# Allegro board GPS_INTERFACE_BOARD_v24_test_SFP_.brd (continued)
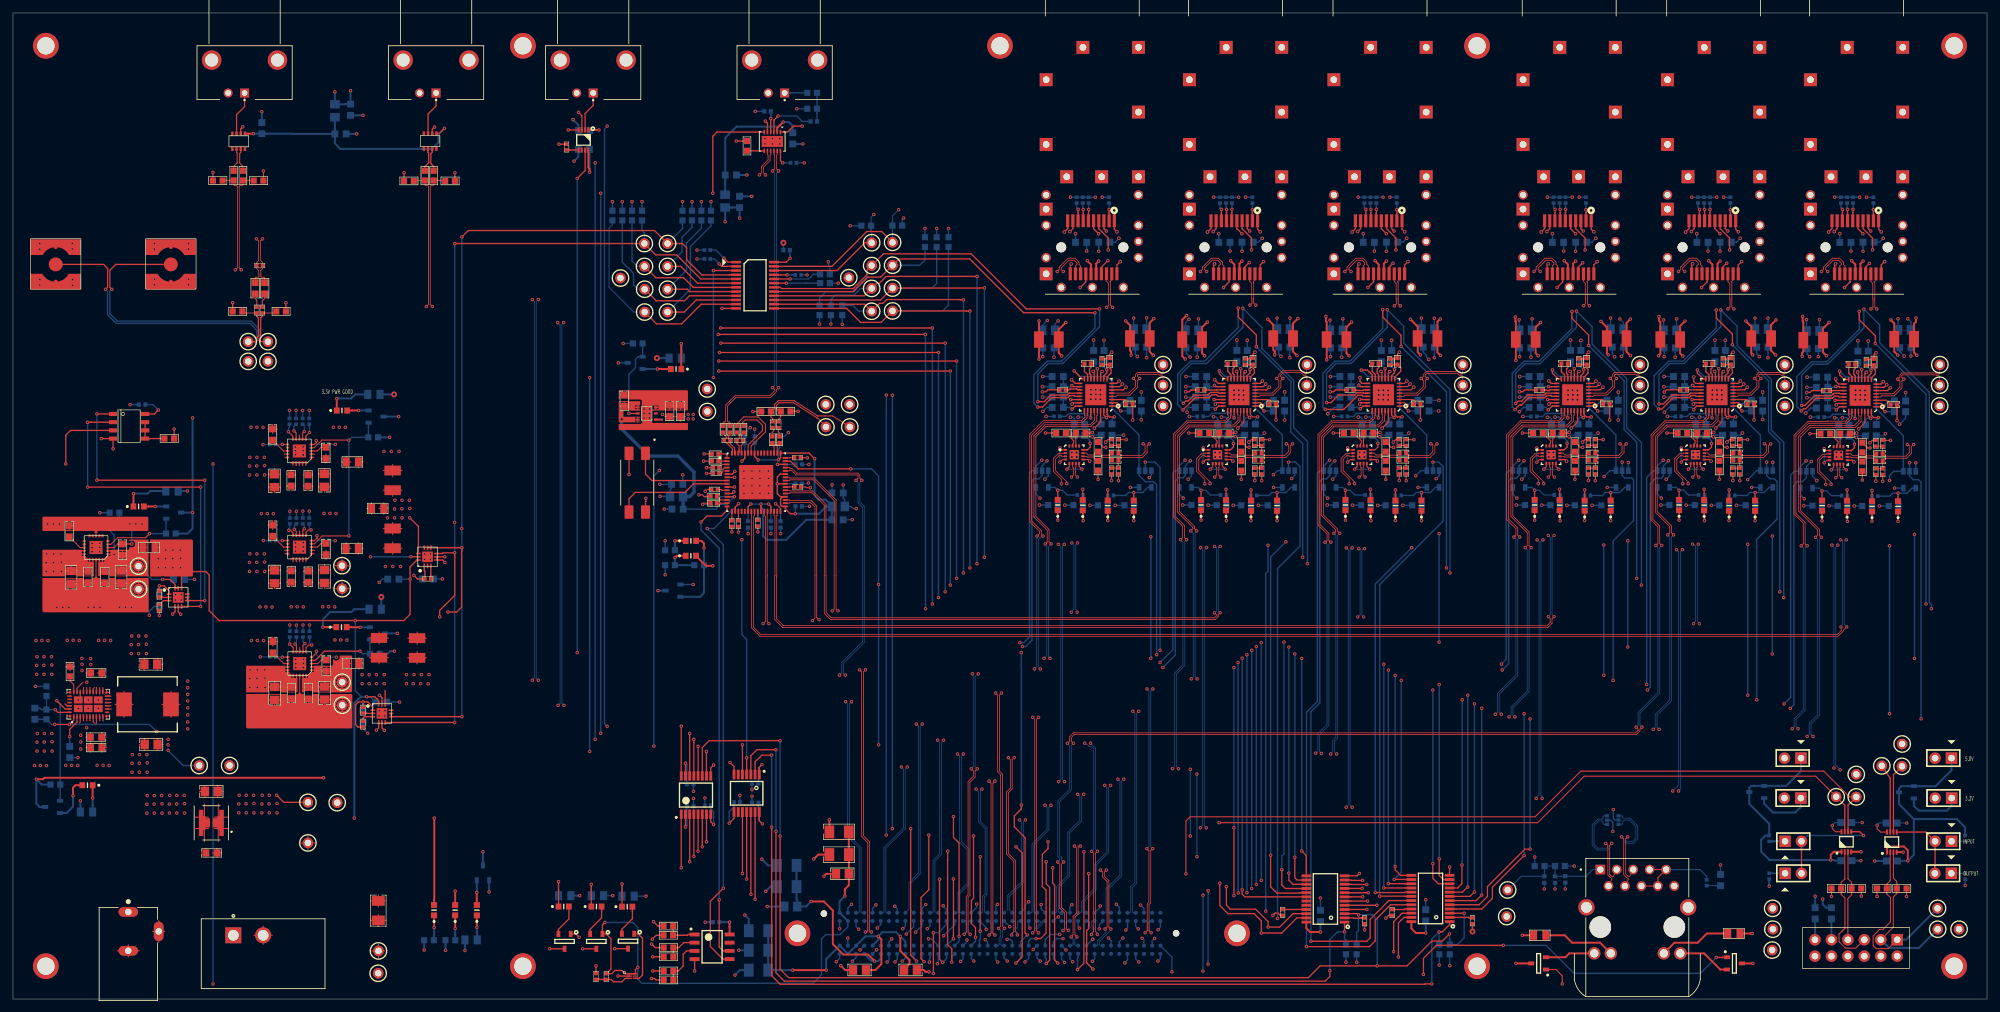
[diagram p0: board, top side]
## Routing (per net, layer and track width the routed paths; a pad name or vN(x,y) marks a point on that pad's centre or on a via; arc(x,y) is an arc through that point) (continued)
  L5 w0.203: v1(211.49,106.55) 211.49,108.47 213.79,110.77 213.79,115.02 213.54,115.28 v1(213.54,115.77) ; v1(147.75,66.62) v1(221.34,66.62)
  BOTTOM w0.203: v1(147.75,106.32) v1(147.75,66.62) ; TP32.1 143.56,106.35 144.45,107.24 R97.1 ; v1(211.49,106.55) 211.49,103.62 206.45,98.58 204.11,98.58 202.27,96.73 202.27,91.49 v1(202.62,91.14) ; v1(221.34,66.62) 221.34,93.85 v1(214.33,100.86)
FMC.SDA5: length 223.2
  TOP w0.203: J22.4 189.77,119.07 191.24,117.6 v1(191.24,115.77) ; v1(180.65,91.05) 182.54,92.94 184.68,92.94 185.14,93.4 185.83,93.4 186.08,93.15 U39.21 ; v1(191.97,100.81) 191.97,102.62 189.19,105.4 v1(189.19,106.78) ; U19.15 133.97,108.04 TP30.1 149.29,109.88 149.31,109.91 v1(149.99,109.91)
  L5 w0.203: v1(189.19,106.78) 189.19,108.47 189.53,108.81 189.53,108.85 191.58,110.91 191.58,114.93 191.24,115.28 v1(191.24,115.77) ; v1(149.99,68.28) v1(199.14,68.28)
  BOTTOM w0.203: v1(191.97,100.81) 197.31,95.48 197.31,87.63 199.14,85.8 v1(199.14,68.28) ; v1(180.65,91.05) 179.83,91.87 179.83,96.6 181.81,98.58 183.97,98.58 189.19,103.79 v1(189.19,106.78) ; TP30.1 141.91,109.88 142.62,110.59 R99.1 ; v1(149.99,109.91) v1(149.99,68.28)
FMC.SDA6: length 105.9
  TOP w0.203: J23.4 167.65,119.07 169.11,117.6 v1(169.11,115.77) ; U19.17 129.78,109.34 132.03,111.58 133.99,111.58 TP35.1 136.78,114.38 147.73,114.38 156.03,106.07 v1(167.06,106.07) ; v1(158.24,91.49) 158.95,91.49 160.4,92.94 162.86,92.94 162.91,92.98 162.91,92.98 163.1,93.17 163.11,93.17 163.2,93.27 163.83,93.27 163.95,93.15 U43.21
  L5 w0.203: v1(169.11,115.77) 169.66,115.23 169.66,111.11 167.4,108.85 167.4,108.81 167.06,108.47 v1(167.06,106.07)
  BOTTOM w0.203: v1(158.24,91.49) 157.63,92.1 157.63,96.52 159.69,98.58 161.93,98.58 167.06,103.72 v1(167.06,106.07) ; TP35.1 140,113.41 140.82,114.22 R101.1
FMC.SDA_FPGA: length 151
  TOP w0.203: v1(138.61,26.34) 138.61,6.78 v1(139.52,5.87) ; TP26.1 134.14,118.62 131.83,118.62 126.45,113.24 U19.23
  L5 w0.17: v1(135.78,26.34) v1(138.61,26.34)
  L5 w0.203: v1(135.79,93.32) 139.52,97.05 139.52,120.85 138.38,122 v1(136.75,122)
  BOTTOM w0.17: v1(136.75,122) 135.8,121.04 R92.2 ; 135.79,91.07 135.78,91.06
  BOTTOM w0.203: TP26.1 135.81,118 135.8,118.01 R92.2 ; 135.78,91.06 v1(135.78,26.34) ; J8.C31 139.06,6.32 v1(139.52,5.87) ; v1(135.79,93.32) 135.79,91.07
FMC.SFP_TX_DISABLE0: length 199.9
  TOP w0.203: v1(198.98,22.89) 199.69,22.18 IC9.13 ; J18.3 286.46,119.07 v1(286.83,118.69)
  L5 w0.203: v1(293.6,71.81) 294.59,72.8 294.59,109.58 288.16,116 288.16,117.36 v1(286.83,118.69) ; v1(293.6,52.65) v1(198.98,52.65)
  BOTTOM w0.203: v1(198.98,52.65) v1(198.98,22.89) ; v1(293.6,71.81) v1(293.6,52.65)
FMC.SFP_TX_DISABLE1: length 180.9
  TOP w0.203: v1(197.92,21.92) 197.92,18.75 198.27,18.39 IC9.14 ; v1(264.76,118.69) 264.39,119.07 J19.3
  L5 w0.203: v1(264.76,118.69) 266.24,117.21 266.24,115.75 271.55,110.44 271.55,90.27 272.52,89.31 272.52,72.42 v1(271.65,71.55) ; v1(271.65,53.34) v1(197.92,53.34)
  BOTTOM w0.203: v1(271.65,71.55) v1(271.65,53.34) ; v1(197.92,53.34) v1(197.92,21.92)
FMC.SFP_TX_DISABLE2: length 160.9
  TOP w0.203: v1(242.46,118.69) 242.08,119.07 J20.3 ; IC9.15 197.62,17.74 197,18.36 v1(197,19.46)
  L5 w0.203: v1(249.33,54.41) v1(197,54.41) ; v1(249.33,70.82) 250.22,71.7 250.22,89.31 249.07,90.45 249.07,110.57 244.02,115.62 244.02,117.13 v1(242.46,118.69)
  BOTTOM w0.203: v1(249.33,70.82) v1(249.33,54.41) ; v1(197,54.41) v1(197,19.46)
FMC.SFP_TX_DISABLE3: length 134.6
  TOP w0.203: v1(195.91,19.99) 195.91,17.63 196.44,17.09 IC9.16 ; v1(213.25,118.69) 212.87,119.07 J21.3
  L5 w0.203: v1(220.19,71.93) 221.01,72.75 221.01,75.49 221.23,75.72 221.23,109.12 214.81,115.54 214.81,117.13 v1(213.25,118.69) ; v1(196.24,55.17) v1(220.19,55.17)
  BOTTOM w0.203: v1(220.19,71.93) v1(220.19,55.17) ; v1(196.24,55.17) 196.24,22.43 195.91,22.1 v1(195.91,19.99)
FMC.SFP_TX_DISABLE4: length 114.1
  TOP w0.203: IC9.17 198.71,16.44 198.65,16.38 195.15,16.38 194.18,17.35 v1(194.18,22.23) ; J22.3 190.57,119.07 v1(190.95,118.69)
  L5 w0.203: v1(196.55,70.66) 198.7,72.82 198.7,89.31 197.74,90.27 197.74,99.23 197.72,99.25 197.72,110.18 192.46,115.44 192.46,117.18 v1(190.95,118.69)
  BOTTOM w0.203: v1(196.55,70.66) 194.18,68.3 v1(194.18,22.23)
FMC.SFP_TX_DISABLE5: length 132
  TOP w0.203: v1(168.82,118.69) 168.45,119.07 J23.3 ; IC9.18 190.22,15.79 189.79,16.23 v1(189.79,16.89)
  L5 w0.203: v1(175.69,52.68) v1(189.79,52.68) ; v1(168.82,118.69) 170.38,117.13 170.38,115.42 175.62,110.19 175.62,99.78 175.54,99.71 175.54,99.27 175.62,99.2 175.62,90.27 176.58,89.31 176.58,72.34 v1(175.69,71.45)
  BOTTOM w0.203: v1(175.69,71.45) v1(175.69,52.68) ; v1(189.79,52.68) v1(189.79,16.89)
FMC.SPARE_BNC_0: length 177.9
  TOP w0.203: TP82.1 289.84,34.13 IC5.7 ; v1(149.35,22) v1(149.35,10.49)
  L5 w0.17: v1(182.8,22) v1(149.35,22) ; TP82.1 287.4,37.19 280.72,37.19 278.31,34.77 v1(182.8,34.77)
  BOTTOM w0.17: v1(182.8,34.77) v1(182.8,22)
  BOTTOM w0.203: J8.D23 149.22,9.12 149.35,9.25 v1(149.35,10.49)
FMC.SPARE_BNC_1: length 183.7
  TOP w0.203: v1(148.31,25.2) 148.31,15.54 147.98,15.21 147.98,11.68 148.62,11.05 v1(148.62,9.55) ; IC5.6 290.34,34.64 TP83.1
  L5 w0.17: TP83.1 289.86,37.77 280.24,37.77 277.98,35.51 v1(181.79,35.51) ; v1(148.31,25.2) v1(181.79,25.2)
  BOTTOM w0.17: v1(181.79,35.51) v1(181.79,25.2)
  BOTTOM w0.203: v1(148.62,9.55) 148.62,8.92 J8.D24
FMC.SPARE_LEMO_0: length 167.8
  TOP w0.17: v1(186.23,27.25) 235.41,27.25 242.6,34.44 278.33,34.44 TP84.1
  TOP w0.203: v1(146.08,9.7) 146.08,24.13 145.21,24.99 v1(145.21,28.2) ; TP84.1 282.83,29.94 IC4.7
  L5 w0.17: v1(186.23,27.25) 184.95,28.53 145.55,28.53 v1(145.21,28.2)
  BOTTOM w0.203: v1(146.08,9.7) 146.08,8.92 J8.D26
FMC.SPARE_LEMO_1: length 169.4
  TOP w0.17: TP85.1 283.57,31.24 279.58,35.23 242.09,35.23 235.03,28.17 181.76,28.17 181.1,27.51 v1(181.1,19.35)
  TOP w0.203: TP85.1 283.33,29.97 IC4.6 ; v1(145.2,9.31) 145.2,9.8 145.21,9.82 v1(145.21,18.57)
  L5 w0.17: v1(181.1,19.35) 169.72,19.35 168.94,18.57 v1(145.21,18.57)
  BOTTOM w0.203: v1(145.2,9.31) J8.D27
FMC.SPARE_RJ45_0_N: length 114
  TOP w0.127: v1(167.91,19.94) 168.22,19.62 168.22,18.88 168.94,18.17 168.94,11.15 v1(168.61,10.82) ; v1(246.85,24.05) 246.53,23.74 246.53,19.27 246.82,18.99 246.94,18.93 247.11,18.98 J17.P3
  L5 w0.127: v1(167.91,19.94) 168.22,20.25 168.22,20.84 168.51,21.13 185.79,21.13 186.59,21.93 186.59,23.55 187.32,24.28 239.34,24.28 240.84,25.78 246.04,25.78 246.53,25.29 246.53,24.37 v1(246.85,24.05)
  BOTTOM w0.127: U5.3 245.63,28.32 245.5,28.19 245.5,27.93 245.38,27.8 244.69,27.8 243.84,26.95 243.84,23.8 244.6,23.04 246.15,23.04 246.53,23.42 246.53,23.74 v1(246.85,24.05) ; J8.D9 167.37,8.26 167.5,8.38 167.5,9.04 168.79,10.33 168.79,10.64 v1(168.61,10.82)
FMC.SPARE_RJ45_0_P: length 112.2
  TOP w0.127: v1(168.82,19.94) 168.5,19.62 168.5,19 169.21,18.29 169.21,11.13 v1(169.52,10.82) ; J17.P2 246.87,18.51 246.81,18.68 246.65,18.76 246.25,19.16 246.25,23.74 v1(245.94,24.05)
  L5 w0.127: v1(245.94,24.05) 246.25,24.37 246.25,25.17 245.92,25.5 240.95,25.5 239.45,24 187.44,24 186.87,23.43 186.87,21.82 185.9,20.85 168.63,20.85 168.5,20.73 168.5,20.25 v1(168.82,19.94)
  BOTTOM w0.127: v1(245.94,24.05) 246.25,23.74 246.25,23.53 246.04,23.32 244.72,23.32 244.12,23.92 244.12,26.83 244.81,27.52 245.38,27.52 245.5,27.39 245.5,27.13 245.63,27 U5.1 ; v1(169.52,10.82) 169.52,10.67 167.78,8.93 167.78,8.38 167.91,8.26 J8.D8
FMC.SPARE_RJ45_1_N: length 120.4
  TOP w0.127: v1(249.31,25.07) 249,24.75 249,19.37 249.37,19 249.48,18.94 249.66,19 J17.P5 ; v1(163.38,9.6) 163.68,9.9 163.68,12.75 164.19,13.26 164.19,23.44 164.03,23.59 163.95,23.59 v1(163.89,23.65)
  L5 w0.127: v1(249.31,25.07) 249,25.38 249,26.21 248.03,27.18 239.65,27.18 238.4,25.93 186.07,25.93 184.72,24.59 164.78,24.59 163.89,23.69 v1(163.89,23.65)
  BOTTOM w0.127: J8.D12 163.56,8.26 163.69,8.38 163.69,8.56 163.68,8.57 163.68,9.3 v1(163.38,9.6) ; U5.6 248.4,27 248.53,27.13 248.53,27.39 248.79,27.66 249.56,27.66 250.57,26.64 250.57,24.84 250.04,24.31 249.22,24.31 248.98,24.55 248.98,24.74 v1(249.31,25.07)
FMC.SPARE_RJ45_1_P: length 121.1
  TOP w0.127: v1(164.29,9.6) 163.96,9.93 163.96,12.63 164.47,13.14 164.47,23.52 164.59,23.65 v1(164.8,23.65) ; v1(248.38,25.07) 248.69,24.75 248.69,19.24 249.19,18.74 249.35,18.66 249.4,18.49 J17.P4
  L5 w0.127: v1(164.8,23.65) 164.61,23.84 164.61,24.02 164.9,24.31 184.84,24.31 186.18,25.65 238.52,25.65 239.76,26.9 247.92,26.9 248.72,26.1 248.72,25.74 248.69,25.71 248.69,25.38 v1(248.38,25.07)
  BOTTOM w0.127: v1(248.38,25.07) 248.71,24.74 248.71,24.43 249.11,24.03 250.15,24.03 250.85,24.73 250.85,26.76 249.67,27.94 248.65,27.94 248.53,28.07 248.53,28.19 248.4,28.32 U5.4 ; J8.D11 164.1,8.26 163.97,8.38 163.97,8.68 163.96,8.69 163.96,9.27 v1(164.29,9.6)
FMC.SPARE_RJ45_LED_0: length 124.1
  TOP w0.17: v1(239.22,2.34) 239.22,3.58 238.24,4.56 Q10.1
  L5 w0.203: v1(183.74,4.32) 185.09,2.97 222.58,2.97 223.22,2.34 v1(239.22,2.34) ; v1(139.37,10.34) 139.37,15.57 139.85,16.05 v1(183.74,16.05)
  BOTTOM w0.203: v1(139.37,10.34) 140.34,11.3 J8.G30 ; v1(183.74,16.05) v1(183.74,4.32)
FMC.SPARE_RJ45_LED_1: length 153.6
  TOP w0.203: Q14.1 263.93,6.46 263.9,6.43 v1(262.99,6.43) ; v1(217.78,3.81) 217.78,6.3 219.79,8.31 v1(230.12,8.31)
  L5 w0.203: v1(137.93,10.05) 138.28,10.4 138.28,16.34 138.68,16.74 v1(184.53,16.74) ; v1(184.52,5.4) 186.11,3.81 v1(217.78,3.81)
  BOTTOM w0.203: v1(184.53,16.74) 184.53,5.91 184.52,5.89 v1(184.52,5.4) ; v1(230.12,8.31) 236.7,8.31 241.02,3.99 260.55,3.99 v1(262.99,6.43) ; J8.G31 139.06,11.18 v1(137.93,10.05)
FMC.TEMP_INTR*: length 236.9
  TOP w0.203: v1(142.11,3.96) v1(142.11,10.26) ; v1(8.15,82.7) 8.15,87.15 8.89,87.88 U46.3
  L5 w0.203: v1(142.11,3.96) 142.11,3.47 140.75,2.11 136.4,2.11 136.4,2.1 87.26,2.1 87.02,2.34 v1(30.89,2.34) ; v1(30.89,82.7) v1(8.15,82.7)
  BOTTOM w0.203: v1(142.11,10.26) 142.89,10.26 144.15,11.52 J8.G27 ; v1(30.89,82.7) v1(30.89,2.34)
FPGA_3V3: length 48.2
  TOP w0.305: C100.1 137.58,4.6 138.43,5.44 138.43,6.02 137.01,7.44 v1(137.01,9.68) ; v1(120.4,4.47) v1(125.55,4.47) ; v1(133.6,9.7) 134.09,9.22 134.09,5.41 133.17,4.5 C101.1
  BOTTOM w0.305: v1(133.6,9.7) 133.6,9.14 J8.D36 ; v1(133.6,9.7) 134.24,10.34 136.35,10.34 v1(137.01,9.68) 137.79,8.89 J8.D32 ; v1(133.6,9.7) 131.62,9.7 J8.D38 J8.C39 J8.D40 125.55,6.17 v1(125.55,4.47) ; v1(120.4,4.47) C103.1 C104.1 C102.1
FPGA_12V: length 29.4
  TOP w0.305: v1(123.24,15.09) 125.2,15.09 126.59,13.69 126.59,8.48 128.19,6.88 132.03,6.88 v1(133.05,5.87)
  BOTTOM w0.305: v1(123.24,15.09) 122.45,14.3 C97.1 121.09,15.33 120.98,15.44 C98.1 C99.1 ; J8.C35 133.99,6.25 133.6,5.87 v1(133.05,5.87) 132.56,5.87 J8.C37
GPS_CLK10_N: length 4.1
  TOP w0.165: IC2.64 111.11,84.49 111.11,85.02 110.19,85.93 110.19,85.95 R35.2 110.15,86.67 110.15,86.86 109.65,87.35 C39.2
GPS_CLK10_P: length 3.7
  TOP w0.165: C38.2 110.72,87.17 110.46,86.92 110.46,86.58 R35.1 110.71,85.87 111.43,85.15 111.43,84.46 IC2.63
GPS_CLK_IN: length 3.5
  BOTTOM w0.203: R2.1 120.1,140.06 120.08,140.03 J1.1
GPS_CLK_SCOPE_N: length 52.1
  TOP w0.127: R8.1 40.41,106.03 R6.2
  TOP w0.203: TP2.1 38.23,101.6 38.02,101.8 38.02,102.09 38.25,102.32 38.25,105.27 38.51,105.52 R6.2 ; J3.3 15.88,113.54 14.96,112.62 14.96,109.99 v1(15.28,109.68)
  BOTTOM w0.203: TP2.1 38.23,101.6 38.02,101.8 38.02,103.5 36.75,104.78 16.1,104.78 14.96,105.91 14.96,109.36 v1(15.28,109.68)
GPS_CLK_SCOPE_P: length 50.9
  TOP w0.127: R3.2 35.67,106.03 R7.1
  TOP w0.203: TP1.1 37.47,101.6 37.67,101.8 37.67,102.24 37.9,102.47 37.9,105.27 37.64,105.52 R3.2 ; v1(14.29,109.68) 14.61,109.99 14.61,112.93 14,113.54 J2.3
  BOTTOM w0.203: TP1.1 37.47,101.6 37.67,101.8 37.67,103.35 36.6,104.42 15.95,104.42 14.61,105.77 14.61,109.36 v1(14.29,109.68)
GPS_GROUP.GPS_CLK_N: length 49.6
  TOP w0.127: v1(117.29,127.99) 117.61,128.31 117.61,130.41 117.5,130.52 U1.10 ; C39.1 109.65,89.07 109.78,89.2 109.92,89.2 110.05,89.32 110.05,91.8 111.49,93.24 116.86,93.24 117.61,93.99 117.61,94.17 v1(117.29,94.49)
  BOTTOM w0.127: v1(117.29,94.49) 117.61,94.8 117.61,127.68 v1(117.29,127.99)
GPS_GROUP.GPS_CLK_P: length 49.6
  TOP w0.127: v1(118.2,94.49) 117.89,94.17 117.89,93.88 116.97,92.96 111.61,92.96 110.32,91.68 110.32,89.32 110.45,89.2 110.59,89.2 110.72,89.07 C38.1 ; v1(118.2,127.99) 117.89,128.31 117.89,130.41 118,130.52 U1.11
  BOTTOM w0.127: v1(118.2,94.49) 117.89,94.8 117.89,127.68 v1(118.2,127.99)
GPS_IRIGB_IN: length 6.2
  TOP w0.203: IC1.2 88.34,136.85 89.59,138.1 J4.1
GPS_PPS_IN: length 6.8
  TOP w0.203: J5.1 65.33,138.02 64.09,136.78 U2.3
GPS_SYNC_IN: length 6.8
  TOP w0.203: J6.1 35.76,137.92 34.52,136.68 U3.3
I2C_SW_RST*: length 118.8
  TOP w0.203: v1(107.07,38.26) 107.07,35.44 107.09,35.43 U18.10 ; U19.3 v1(108.15,112.59)
  L5 w0.203: v1(108.15,96.04) v1(89.04,96.04) ; v1(89.04,38.26) v1(107.07,38.26)
  BOTTOM w0.203: v1(89.04,96.04) v1(89.04,38.26) ; v1(108.15,112.59) v1(108.15,96.04)
INTVCC_2V5: length 10.3
  TOP w0.203: v1(54.05,45.92) R59.1 ; v1(54.05,45.92) 54.79,45.92 55.57,45.14 U13.1 ; v1(54.05,45.92) 53.37,45.92 52.91,45.47 52.91,42.42 53.28,42.04 R60.1
  BOTTOM w0.203: v1(54.05,45.92) C86.1
INTVCC_3V3: length 5.5
  TOP w0.203: U10.1 63.51,66.18 63.61,66.08 R55.1 63.11,64.95 63.08,64.92 62.46,64.92 v1(61.9,65.48)
  BOTTOM w0.203: v1(61.9,65.48) 62.46,64.92 C74.1
INTVCC_5V: length 4.6
  TOP w0.203: U8.1 24.13,63.07 23.34,63.86 v1(22.61,63.86) R48.1
  BOTTOM w0.203: v1(22.61,63.86) C59.1
LED_0: length 7.7
  TOP w0.305: J17.P11 240.31,7.06 239.71,6.46 Q10.2
LED_1: length 8.2
  TOP w0.305: Q14.2 263.61,4.56 261.11,7.06 J17.P14
LEMO_DIR: length 17
  TOP w0.203: J12.2 J11.2 ; IC4.5 285.14,25.86 v1(285.72,25.27)
  BOTTOM w0.203: v1(285.72,25.27) 277.04,25.27 J12.2
LEMO_VCCA: length 38.6
  TOP w0.305: IC4.1 281.13,22.76 280.67,22.3 v1(280.67,21.49)
  BOTTOM w0.305: J10.1 276.07,35.23 273.8,32.95 Q2.1 268.91,32.95 268.91,32.95 268.39,32.95 268.09,32.65 Q2.3 268.09,30.16 271.17,27.08 R107.2 270.59,25.27 269.93,24.6 269.93,22.78 271.22,21.49 v1(280.67,21.49) 281.15,21.49 281.25,21.39 C114.1
MOD_ABS_SFP INTERFACE_SFP1: length 2.8
  TOP w0.203: v1(284.1,122.05) 284.1,121.53 284.06,121.49 J18.6
  BOTTOM w0.203: R127.2 v1(284.1,122.05)
MOD_ABS_SFP INTERFACE_SFP2: length 2.8
  TOP w0.203: v1(262.03,122.05) 262.03,121.53 261.99,121.49 J19.6
  BOTTOM w0.203: R148.2 v1(262.03,122.05)
MOD_ABS_SFP INTERFACE_SFP3: length 2.8
  TOP w0.203: J20.6 239.68,121.49 239.73,121.53 v1(239.73,122.05)
  BOTTOM w0.203: R169.2 v1(239.73,122.05)
MOD_ABS_SFP INTERFACE_SFP4: length 2.8
  TOP w0.203: v1(210.52,122.05) 210.52,121.53 210.47,121.49 J21.6
  BOTTOM w0.203: R190.2 v1(210.52,122.05)
MOD_ABS_SFP INTERFACE_SFP5: length 2.8
  TOP w0.203: v1(188.21,122.05) 188.21,121.53 188.17,121.49 J22.6
  BOTTOM w0.203: R211.2 v1(188.21,122.05)
MOD_ABS_SFP INTERFACE_SFP6: length 2.8
  TOP w0.203: v1(166.09,122.05) 166.09,121.53 166.05,121.49 J23.6
  BOTTOM w0.165: R232.2 v1(166.09,122.05)
N01450_SFP INTERFACE_SFP1: length 2.5
  TOP w0.203: U23.14 284.44,96.35 284.23,96.56 284.23,97.26 284.45,97.48 C152.1
N01450_SFP INTERFACE_SFP2: length 2.5
  TOP w0.203: U27.14 262.37,96.53 262.16,96.74 262.16,97.36 262.37,97.58 C175.1
N01450_SFP INTERFACE_SFP3: length 2.5
  TOP w0.203: C198.1 240.07,97.58 239.88,97.38 239.88,96.71 240.07,96.52 U31.14
N01450_SFP INTERFACE_SFP4: length 2.5
  TOP w0.203: C221.1 210.86,97.58 210.65,97.36 210.65,96.72 210.86,96.52 U35.14
N01450_SFP INTERFACE_SFP5: length 2.5
  TOP w0.203: C244.1 188.56,97.58 188.35,97.36 188.35,96.72 188.42,96.65 188.42,96.59 188.56,96.46 U39.14
N01450_SFP INTERFACE_SFP6: length 2.5
  TOP w0.203: C267.1 166.44,97.58 166.22,97.36 166.22,96.72 166.3,96.65 166.3,96.59 166.43,96.46 U43.14
N01454_SFP INTERFACE_SFP1: length 2.6
  TOP w0.203: U23.15 283.94,96.2 283.45,96.69 C152.2
N01454_SFP INTERFACE_SFP2: length 2.6
  TOP w0.203: U27.15 261.87,96.47 261.38,96.97 C175.2
N01454_SFP INTERFACE_SFP3: length 2.6
  TOP w0.203: C198.2 239.07,96.97 239.57,96.47 U31.15
N01454_SFP INTERFACE_SFP4: length 2.6
  TOP w0.203: U35.15 210.36,96.5 209.86,97 C221.2
N01454_SFP INTERFACE_SFP5: length 2.6
  TOP w0.203: C244.2 187.56,97.02 187.9,96.69 187.9,96.66 188.06,96.5 U39.15
N01454_SFP INTERFACE_SFP6: length 2.6
  TOP w0.203: U43.15 165.93,96.5 165.44,97 C267.2
N04910_SFP INTERFACE_SFP1: length 4.2
  TOP w0.165: v1(279.65,82.88) 280.05,83.27 U22.4 ; U22.1 280.5,84.76 279.96,84.76 v1(279.65,85.06)
  BOTTOM w0.165: v1(279.65,82.88) v1(279.65,85.06)
N04910_SFP INTERFACE_SFP2: length 4.2
  TOP w0.165: U26.4 257.97,83.37 v1(257.58,82.98) ; v1(257.58,85.17) 257.89,84.86 258.43,84.86 U26.1
  BOTTOM w0.165: v1(257.58,82.98) v1(257.58,85.17)
N04910_SFP INTERFACE_SFP3: length 4.2
  TOP w0.165: U30.4 235.67,83.37 v1(235.28,82.98) ; v1(235.28,85.17) 235.59,84.86 236.13,84.86 U30.1
  BOTTOM w0.165: v1(235.28,82.98) v1(235.28,85.17)
N04910_SFP INTERFACE_SFP4: length 4.2
  TOP w0.165: U34.1 206.92,84.86 206.38,84.86 v1(206.07,85.17) ; U34.4 206.46,83.37 v1(206.07,82.98)
  BOTTOM w0.165: v1(206.07,82.98) v1(206.07,85.17)
N04910_SFP INTERFACE_SFP5: length 4.2
  TOP w0.165: v1(183.77,85.17) 184.07,84.86 184.62,84.86 U38.1 ; v1(183.77,82.98) 184.16,83.37 U38.4
  BOTTOM w0.165: v1(183.77,82.98) v1(183.77,85.17)
N04910_SFP INTERFACE_SFP6: length 4.2
  TOP w0.165: U42.4 162.04,83.37 v1(161.65,82.98) ; U42.1 162.49,84.86 161.95,84.86 v1(161.65,85.17)
  BOTTOM w0.165: v1(161.65,82.98) v1(161.65,85.17)
N04977_SFP INTERFACE_SFP1: length 4.4
  TOP w0.165: U22.8 282.61,82.23 v1(283.06,81.79) ; U22.5 281.11,82.16 v1(280.75,81.79)
  BOTTOM w0.165: v1(280.75,81.79) v1(283.06,81.79)
N04977_SFP INTERFACE_SFP2: length 4.4
  TOP w0.165: U26.8 260.54,82.33 v1(260.99,81.89) ; U26.5 259.04,82.26 v1(258.67,81.89)
  BOTTOM w0.165: v1(258.67,81.89) v1(260.99,81.89)
N04977_SFP INTERFACE_SFP3: length 4.4
  TOP w0.165: v1(238.68,81.89) 238.24,82.33 U30.8 ; v1(236.37,81.89) 236.74,82.26 U30.5
  BOTTOM w0.165: v1(236.37,81.89) v1(238.68,81.89)
N04977_SFP INTERFACE_SFP4: length 4.4
  TOP w0.165: U34.8 209.03,82.33 v1(209.47,81.89) ; v1(207.16,81.89) 207.53,82.26 U34.5
  BOTTOM w0.165: v1(207.16,81.89) v1(209.47,81.89)
N04977_SFP INTERFACE_SFP5: length 4.4
  TOP w0.165: v1(184.86,81.89) 185.23,82.26 U38.5 ; U38.8 186.73,82.33 v1(187.17,81.89)
  BOTTOM w0.165: v1(184.86,81.89) v1(187.17,81.89)
N04977_SFP INTERFACE_SFP6: length 4.4
  TOP w0.165: U42.5 163.11,82.26 v1(162.74,81.89) ; U42.8 164.61,82.33 v1(165.05,81.89)
  BOTTOM w0.165: v1(162.74,81.89) v1(165.05,81.89)
N136741_SFP INTERFACE_SFP1: length 3.9
  TOP w0.203: D17.1 v1(279.32,73.91)
  BOTTOM w0.203: R132.1 279.34,75.57 279.32,75.55 v1(279.32,73.91)
N136741_SFP INTERFACE_SFP2: length 3.9
  TOP w0.203: D21.1 v1(257.25,74.02)
  BOTTOM w0.203: v1(257.25,74.02) 257.25,75.65 257.26,75.67 R153.1
N136741_SFP INTERFACE_SFP3: length 3.9
  TOP w0.203: D25.1 v1(234.95,74.02)
  BOTTOM w0.203: R174.1 234.96,75.67 234.95,75.65 v1(234.95,74.02)
N136741_SFP INTERFACE_SFP4: length 3.9
  TOP w0.203: D29.1 v1(205.74,74.02)
  BOTTOM w0.203: R195.1 205.75,75.67 205.74,75.65 v1(205.74,74.02)
N136741_SFP INTERFACE_SFP5: length 3.9
  TOP w0.203: D33.1 v1(183.44,74.02)
  BOTTOM w0.203: R216.1 183.45,75.67 183.44,75.65 v1(183.44,74.02)
N136741_SFP INTERFACE_SFP6: length 3.9
  TOP w0.203: D37.1 v1(161.32,74.02)
  BOTTOM w0.203: R237.1 161.33,75.67 161.32,75.65 v1(161.32,74.02)
N141568_SFP INTERFACE_SFP1: length 6.5
  TOP w0.203: v1(279.32,78.54) D17.2
  BOTTOM w0.203: U24.4 278.89,78.97 v1(279.32,78.54) 280.04,78.54 280.77,77.8 R131.2
N141568_SFP INTERFACE_SFP2: length 6.5
  TOP w0.203: v1(257.25,78.64) D21.2
  BOTTOM w0.203: U28.4 256.82,79.07 v1(257.25,78.64) 257.96,78.64 258.7,77.9 R152.2
N141568_SFP INTERFACE_SFP3: length 6.5
  TOP w0.203: v1(234.95,78.64) D25.2
  BOTTOM w0.165: v1(234.95,78.64) 235.66,78.64 236.4,77.9 R173.2
  BOTTOM w0.203: v1(234.95,78.64) 234.52,79.07 U32.4
N141568_SFP INTERFACE_SFP4: length 6.5
  TOP w0.203: v1(205.74,78.64) D29.2
  BOTTOM w0.165: U36.4 205.31,79.07 v1(205.74,78.64)
  BOTTOM w0.203: v1(205.74,78.64) 206.45,78.64 207.19,77.9 R194.2
N141568_SFP INTERFACE_SFP5: length 6.5
  TOP w0.203: v1(183.44,78.64) D33.2
  BOTTOM w0.203: U40.4 183.01,79.07 v1(183.44,78.64) 184.15,78.64 184.89,77.9 R215.2
N141568_SFP INTERFACE_SFP6: length 6.5
  TOP w0.203: v1(161.32,78.64) D37.2
  BOTTOM w0.203: R236.2 162.76,77.9 162.03,78.64 v1(161.32,78.64) 160.88,79.07 U44.4
N210584_SFP INTERFACE_SFP1: length 5.6
  TOP w0.203: v1(283.25,73.82) 283.25,74.7 283.18,74.77 D16.1
  BOTTOM w0.203: v1(283.25,73.82) R133.1 283.25,76.91 283.25,76.92 R131.1
N210584_SFP INTERFACE_SFP2: length 5.6
  TOP w0.203: v1(261.18,73.93) 261.18,74.8 261.11,74.87 D20.1
  BOTTOM w0.203: R152.1 261.18,77.02 261.18,77.01 R154.1 v1(261.18,73.93)
N210584_SFP INTERFACE_SFP3: length 5.6
  TOP w0.203: v1(238.88,73.93) 238.88,74.8 238.81,74.87 D24.1
  BOTTOM w0.203: v1(238.88,73.93) R175.1 238.88,77.01 238.88,77.02 R173.1
N210584_SFP INTERFACE_SFP4: length 5.6
  TOP w0.203: D28.1 209.6,74.87 209.67,74.8 v1(209.67,73.93)
  BOTTOM w0.203: v1(209.67,73.93) R196.1 209.67,77.01 209.67,77.02 R194.1
N210584_SFP INTERFACE_SFP5: length 5.6
  TOP w0.203: D32.1 187.3,74.87 187.36,74.8 v1(187.36,73.93)
  BOTTOM w0.203: R215.1 187.37,77.02 187.36,77.01 R217.1 v1(187.36,73.93)
N210584_SFP INTERFACE_SFP6: length 5.6
  TOP w0.203: v1(165.24,73.93) 165.24,74.8 165.18,74.87 D36.1
  BOTTOM w0.203: v1(165.24,73.93) R238.1 165.24,77.01 165.25,77.02 R236.1
N222361_SFP INTERFACE_SFP1: length 5.4
  TOP w0.203: D18.1 287.05,74.69 287.03,74.68 v1(287.03,73.85)
  BOTTOM w0.203: R137.1 287.03,76.89 287.03,76.88 R139.1 v1(287.03,73.85)
N222361_SFP INTERFACE_SFP2: length 5.4
  TOP w0.203: v1(264.96,73.95) 264.96,74.78 264.97,74.79 D22.1
  BOTTOM w0.203: R158.1 264.95,76.99 264.96,76.99 R160.1 v1(264.96,73.95)
N222361_SFP INTERFACE_SFP3: length 5.4
  TOP w0.203: D26.1 242.67,74.79 242.66,74.78 v1(242.66,73.95)
  BOTTOM w0.203: R179.1 242.65,76.99 242.66,76.99 R181.1 v1(242.66,73.95)
N222361_SFP INTERFACE_SFP4: length 5.4
  TOP w0.203: v1(213.45,73.95) 213.45,74.78 213.46,74.79 D30.1
  BOTTOM w0.203: R200.1 213.44,76.99 213.45,76.99 R202.1 v1(213.45,73.95)
N222361_SFP INTERFACE_SFP5: length 5.4
  TOP w0.203: D34.1 191.16,74.79 191.15,74.78 v1(191.15,73.95)
  BOTTOM w0.203: v1(191.15,73.95) R223.1 191.15,76.99 191.14,76.99 R221.1
N222361_SFP INTERFACE_SFP6: length 5.4
  TOP w0.203: v1(169.03,73.95) 169.03,74.78 169.04,74.79 D38.1
  BOTTOM w0.203: R242.1 169.02,76.99 169.03,76.99 R244.1 v1(169.03,73.95)
N222457_SFP INTERFACE_SFP1: length 7.6
  TOP w0.203: D19.2 291.06,77.61 291.06,77.61 v1(291.06,78.18)
  BOTTOM w0.203: U25.4 293.22,78.97 292.44,78.18 v1(291.06,78.18) 290.25,78.18 289.79,77.72 R137.2
N222457_SFP INTERFACE_SFP2: length 7.6
  TOP w0.203: v1(268.99,78.28) 268.99,77.71 268.99,77.71 D23.2
  BOTTOM w0.203: R158.2 267.72,77.83 268.17,78.28 v1(268.99,78.28) 270.36,78.28 271.15,79.07 U29.4
N222457_SFP INTERFACE_SFP3: length 7.6
  TOP w0.203: v1(246.69,78.28) 246.69,77.71 246.68,77.71 D27.2
  BOTTOM w0.203: U33.4 248.85,79.07 248.06,78.28 v1(246.69,78.28) 245.87,78.28 245.41,77.83 R179.2
N222457_SFP INTERFACE_SFP4: length 7.6
  TOP w0.203: v1(217.48,78.28) 217.48,77.71 217.47,77.71 D31.2
  BOTTOM w0.203: U37.4 219.64,79.07 218.85,78.28 v1(217.48,78.28) 216.66,78.28 216.2,77.83 R200.2
N222457_SFP INTERFACE_SFP5: length 7.6
  TOP w0.203: v1(195.18,78.28) 195.18,77.71 195.17,77.71 D35.2
  BOTTOM w0.203: R221.2 193.9,77.83 194.36,78.28 v1(195.18,78.28) 196.55,78.28 197.34,79.07 U41.4
N222457_SFP INTERFACE_SFP6: length 7.6
  TOP w0.203: D39.2 173.05,77.71 173.05,77.71 v1(173.05,78.28)
  BOTTOM w0.203: U45.4 175.22,79.07 174.43,78.28 v1(173.05,78.28) 172.24,78.28 171.78,77.83 R242.2
N222469_SFP INTERFACE_SFP1: length 3.9
  TOP w0.203: D19.1 v1(291.06,73.84)
  BOTTOM w0.203: R138.1 291.12,75.52 291.06,75.45 v1(291.06,73.84)
N222469_SFP INTERFACE_SFP2: length 3.9
  TOP w0.203: D23.1 v1(268.99,73.94)
  BOTTOM w0.203: R159.1 269.05,75.62 268.99,75.55 v1(268.99,73.94)
N222469_SFP INTERFACE_SFP3: length 3.9
  TOP w0.203: D27.1 v1(246.68,73.94)
  BOTTOM w0.203: R180.1 246.75,75.62 246.68,75.55 v1(246.68,73.94)
N222469_SFP INTERFACE_SFP4: length 3.9
  TOP w0.203: D31.1 v1(217.47,73.94)
  BOTTOM w0.203: R201.1 217.54,75.62 217.47,75.55 v1(217.47,73.94)
N222469_SFP INTERFACE_SFP5: length 3.9
  TOP w0.203: D35.1 v1(195.17,73.94)
  BOTTOM w0.203: R222.1 195.24,75.62 195.17,75.55 v1(195.17,73.94)
N222469_SFP INTERFACE_SFP6: length 3.9
  TOP w0.203: D39.1 v1(173.05,73.94)
  BOTTOM w0.203: v1(173.05,73.94) 173.05,75.55 173.11,75.62 R243.1
PG_2V5: length 12
  TOP w0.203: v1(53.57,53.77) 48.11,53.77 46.68,52.34 U12.4
  BOTTOM w0.203: Q6.1 55.11,55.04 55.13,55.02 R61.1 53.98,53.37 v1(53.57,53.77)
PG_3V3: length 32.9
  TOP w0.165: v1(51.87,71.58) 47.76,71.58 46.53,70.35 U9.4 ; v1(51.87,86.39) 47.68,86.39 46.51,85.21 U11.4
  BOTTOM w0.203: v1(51.87,71.58) v1(51.87,86.39) 52.3,86.82 R56.1 54.88,88.51 54.91,88.54 Q5.1
